# Allegro board 038RT-9068CJK8E-A100_0921.brd (continued)
## Placement (name value [footprint] x y rotation side) (continued)
UNK2C441  NC/4.7P-50-N-S4-MU  [C0402]  21.06 275.68 0 top
UNK2C442  NC/4.7P-50-N-S4-MU  [C0402]  14.06 275.68 0 top
UNK2CD1  0.1U-16-X7R-S4-TY  [C0402_UNBGA_V2]  284.1 268.62 0 bottom
UNK2CD2  0.1U-16-X7R-S4-TY  [C0402_UNBGA_V2]  284.9 267.82 0 bottom
UNK2CD3  0.1U-16-X7R-S4-TY  [C0402_UNBGA_V2]  284.9 267.02 0 bottom
UNK2CD4  0.1U-16-X7R-S4-TY  [C0402_UNBGA_V2]  284.9 266.22 0 bottom
UNK2CD5  0.1U-16-X7R-S4-TY  [C0402_UNBGA_V2]  284.9 265.42 0 bottom
UNK2CD6  0.1U-16-X7R-S4-TY  [C0402_UNBGA_V2]  286.1 263.42 270 bottom
UNK2CD7  2.2U-10-X7S-S4-MU  [C0402_UNBGA_V2]  286.9 263.42 270 bottom
UNK2CD8  2.2U-10-X7S-S4-MU  [C0402_UNBGA_V2]  284.5 271.42 270 bottom
UNK2CD9  0.1U-16-X7R-S4-TY  [C0402_UNBGA_V2]  286.1 265.02 90 bottom
UNK2CD10  0.1U-16-X7R-S4-TY  [C0402_UNBGA_V2]  284.5 269.82 90 bottom
UNK2CD11  0.1U-16-X7R-S4-TY  [C0402_UNBGA_V2]  285.3 269.02 270 bottom
UNK2CD12  0.1U-16-X7R-S4-TY  [C0402_UNBGA_V2]  285.3 271.42 270 bottom
UNK2CD13  0.1U-16-X7R-S4-TY  [C0402_UNBGA_V2]  285.3 263.42 270 bottom
UNK2CD14  0.1U-16-X7R-S4-TY  [C0402_UNBGA_V2]  286.1 269.02 270 bottom
UNK2CD15  0.1U-16-X7R-S4-TY  [C0402_UNBGA_V2]  285.53 254.75 180 bottom
UNK2CD16  2.2U-10-X7S-S4-MU  [C0402_UNBGA_V2]  280.1 267.82 0 bottom
UNK2CD17  0.1U-16-X7R-S4-TY  [C0402_UNBGA_V2]  279.7 266.62 270 bottom
UNK2CD18  2.2U-10-X7S-S4-MU  [C0402_UNBGA_V2]  286.9 271.42 270 bottom
UNK2CD19  0.1U-16-X7R-S4-TY  [C0402_UNBGA_V2]  285.53 253.92 180 bottom
UNK2CD20  10U-16-X7R-S8-SS  [C0805]  341.01 452.68 0 top
UNK2CD21  10U-16-X7R-S8-SS  [C0805]  335.29 434.26 0 top
UNK2CD22  47U-10-X7R-SB-MU  [C1210]  341.01 448.23 270 top
UNK2CD23  47U-10-X7R-SB-MU  [C1210]  335.29 448.23 270 top
UNK2CD24  NC/100U-16-T-SC  [CODE_C]  335.29 439.98 270 top
UNK2CD25  NC/100U-16-T-SC  [CODE_C]  341.01 439.98 270 top
UNK2CD26  0.1U-16-X7R-S4-TY  [C0402_UNBGA_V2]  288.9 271.02 180 bottom
UNK2CD27  0.1U-16-X7R-S4-TY  [C0402_UNBGA_V2]  284.1 273.42 0 bottom
UNK2CD28  0.1U-16-X7R-S4-TY  [C0402_UNBGA_V2]  283.7 271.42 90 bottom
UNK2CD29  0.1U-16-X7R-S4-TY  [C0402_UNBGA_V2]  283.7 260.22 90 bottom
UNK2CD30  0.1U-16-X7R-S4-TY  [C0402_UNBGA_V2]  286.9 269.82 90 bottom
UNK2CD31  0.1U-16-X7R-S4-TY  [C0402_UNBGA_V2]  290.5 270.22 0 bottom
UNK2CD32  0.1U-16-X7R-S4-TY  [C0402_UNBGA_V2]  288.9 270.22 180 bottom
UNK2CD33  0.1U-16-X7R-S4-TY  [C0402_UNBGA_V2]  286.1 260.22 90 bottom
UNK2CD34  0.1U-16-X7R-S4-TY  [C0402_UNBGA_V2]  287.7 261.82 90 bottom
UNK2CD35  0.1U-16-X7R-S4-TY  [C0402_UNBGA_V2]  281.3 260.22 90 bottom
UNK2CD36  0.1U-16-X7R-S4-TY  [C0402_UNBGA_V2]  287.7 269.82 90 bottom
UNK2CD37  0.1U-16-X7R-S4-TY  [C0402_UNBGA_V2]  286.9 261.02 90 bottom
UNK2CD38  0.1U-16-X7R-S4-TY  [C0402_UNBGA_V2]  288.9 271.82 180 bottom
UNK2CD39  2.2U-10-X7S-S4-MU  [C0402_UNBGA_V2]  288.5 261.82 90 bottom
UNK2CD40  2.2U-10-X7S-S4-MU  [C0402_UNBGA_V2]  290.1 271.42 90 bottom
UNK2CD41  2.2U-10-X7S-S4-MU  [C0402_UNBGA_V2]  280.5 260.22 90 bottom
UNK2CD42  0.1U-16-X7R-S4-TY  [C0402_UNBGA_V2]  282.9 261.02 90 bottom
UNK2CD43  2.2U-10-X7S-S4-MU  [C0402_UNBGA_V2]  280.1 270.22 180 bottom
UNK2CD44  0.1U-16-X7R-S4-TY  [C0402_UNBGA_V2]  285.3 260.22 90 bottom
UNK2CD45  10U-16-X7R-S8-SS  [C0805]  324.44 442.95 180 top
UNK2CD46  10U-16-X7R-S8-SS  [C0805]  324.44 440.44 180 top
UNK2CD47  47U-10-X7R-SB-MU  [C1210]  329.32 438.53 0 top
UNK2CD48  NC/100U-16-T-SC  [CODE_C]  327.67 447.93 0 top
UNK2CD49  47U-10-X7R-SB-MU  [C1210]  329.32 443.1 0 top
UNK2CD50  NC/100U-16-T-SC  [CODE_C]  327.67 453.01 0 top
UNK2CD51  0.1U-16-X7R-S4-TY  [C0402_UNBGA_V2]  290.5 268.62 0 bottom
UNK2CD52  0.1U-16-X7R-S4-TY  [C0402_UNBGA_V2]  287.7 272.22 270 bottom
UNK2CD53  0.1U-16-X7R-S4-TY  [C0402_UNBGA_V2]  290.5 269.42 0 bottom
UNK2CD54  0.1U-16-X7R-S4-TY  [C0402_UNBGA_V2]  290.9 272.22 270 bottom
UNK2CD55  0.1U-16-X7R-S4-TY  [C0402_UNBGA_V2]  281.3 271.42 90 bottom
UNK2CD56  0.1U-16-X7R-S4-TY  [C0402_UNBGA_V2]  282.1 271.42 90 bottom
UNK2CD57  2.2U-10-X7S-S4-MU  [C0402_UNBGA_V2]  288.5 273.02 90 bottom
UNK2CD58  0.1U-16-X7R-S4-TY  [C0402_UNBGA_V2]  282.9 271.42 90 bottom
UNK2CD59  0.1U-16-X7R-S4-TY  [C0402_UNBGA_V2]  288.9 268.62 180 bottom
UNK2CD60  0.1U-16-X7R-S4-TY  [C0402_UNBGA_V2]  289.3 261.02 270 bottom
UNK2CD61  2.2U-10-X7S-S4-MU  [C0402_UNBGA_V2]  286.5 272.62 180 bottom
UNK2CD62  2.2U-10-X7S-S4-MU  [C0402_UNBGA_V2]  280.1 271.02 180 bottom
UNK2CD63  2.2U-10-X7S-S4-MU  [C0402_UNBGA_V2]  291.7 272.22 270 bottom
UNK2CD64  2.2U-10-X7S-S4-MU  [C0402_UNBGA_V2]  284.5 261.02 270 bottom
UNK2CD65  2.2U-10-X7S-S4-MU  [C0402_UNBGA_V2]  288.9 269.42 180 bottom
UNK2CD66  2.2U-10-X7S-S4-MU  [C0402_UNBGA_V2]  280.1 271.82 180 bottom
UNK2CD67  2.2U-10-X7S-S4-MU  [C0402_UNBGA_V2]  290.1 261.02 270 bottom
UNK2CD68  0.1U-16-X7R-S4-TY  [C0402_UNBGA_V2]  282.1 269.82 270 bottom
UNK2CD69  2.2U-10-X7S-S4-MU  [C0402_UNBGA_V2]  285.7 270.22 180 bottom
UNK2CD70  2.2U-10-X7S-S4-MU  [C0402_UNBGA_V2]  285.3 261.82 90 bottom
UNK2CD71  0.1U-16-X7R-S4-TY  [C0402_UNBGA_V2]  282.9 269.82 270 bottom
UNK2CD72  0.1U-16-X7R-S4-TY  [C0402_UNBGA_V2]  281.7 268.62 0 bottom
UNK2CD73  0.1U-16-X7R-S4-TY  [C0402_UNBGA_V2]  283.7 269.82 90 bottom
UNK2CD74  10U-16-X7R-S8-SS  [C0805]  266.09 262.71 270 bottom
UNK2CD75  10U-16-X7R-S8-SS  [C0805]  171.22 435.28 0 top
UNK2CD76  47U-10-X7R-SB-MU  [C1210]  171.22 449.25 270 top
UNK2CD77  NC/100U-16-T-SC  [CODE_C]  171.22 440.99 270 top
UNK2CD78  47U-10-X7R-SB-MU  [C1210]  165.51 449.25 270 top
UNK2CD79  NC/100U-16-T-SC  [CODE_C]  165.51 440.99 270 top
UNK2CD80  1U-16-X-S6-TY  [C0603]  285.52 252.77 180 bottom
UNK2CD81  10U-16-X7R-S8-SS  [C0805]  285.49 251.02 180 bottom
UNK2CD82  1U-16-X-S6-TY  [C0603]  280.93 251.29 0 bottom
UNK2CD83  0.1U-16-X7R-S4-TY  [C0402_UNBGA_V2]  288.1 264.62 0 bottom
UNK2CD84  0.1U-16-X7R-S4-TY  [C0402_UNBGA_V2]  287.7 263.42 270 bottom
UNK2CD85  0.1U-16-X7R-S4-TY  [C0402_UNBGA_V2]  288.5 263.42 270 bottom
UNK2CD86  10U-16-X7R-S8-SS  [C0805]  280.9 249.53 0 bottom
UNK2CD87  1U-16-X-S6-TY  [C0603]  274.28 262.7 90 bottom
UNK2CD88  10U-16-X7R-S8-SS  [C0805]  272.53 262.73 90 bottom
UNK2CD89  0.1U-16-X7R-S4-TY  [C0402_UNBGA_V2]  295.15 250.4 180 bottom
UNK2CD90  1U-16-X-S6-TY  [C0603]  274.28 266.51 270 bottom
UNK2CD91  0.1U-16-X7R-S4-TY  [C0402_UNBGA_V2]  288.1 260.59 180 bottom
UNK2CD92  0.1U-16-X7R-S4-TY  [C0402_UNBGA_V2]  290.9 264.22 90 bottom
UNK2CD93  10U-16-X7R-S8-SS  [C0805]  177.04 435.28 180 top
UNK2CD94  10U-16-X7R-S8-SS  [C0805]  295.13 241.7 0 bottom
UNK2CD95  47U-10-X7R-SB-MU  [C1210]  177.04 430.83 270 top
UNK2CD96  10U-16-X7R-S8-SS  [C0805]  272.53 266.54 270 bottom
UNK2CD97  47U-10-X7R-SB-MU  [C1210]  177.04 420.93 270 top
UNK2CD98  1U-16-X-S6-TY  [C0603]  291.11 251.32 180 bottom
UNK2CD99  10U-16-X7R-S8-SS  [C0805]  291.08 249.57 180 bottom
UNK2CD100  1U-16-X-S6-TY  [C0603]  295.14 249.26 180 bottom
UNK2CD104  1U-16-X-S6-TY  [C0603]  274.28 274.38 270 bottom
UNK2CD105  10U-16-X7R-S8-SS  [C0805]  272.53 274.41 270 bottom
UNK2CD106  1U-16-X-S6-TY  [C0603]  298.6 262.7 90 bottom
UNK2CD107  10U-16-X7R-S8-SS  [C0805]  300.35 262.67 90 bottom
UNK2CD108  10U-16-X7R-S8-SS  [C0805]  275.58 249.53 180 bottom
UNK2CD109  1U-16-X-S6-TY  [C0603]  285.49 241.57 0 bottom
UNK2CD110  1U-16-X-S6-TY  [C0603]  280.93 245.5 180 bottom
UNK2CD111  1U-16-X-S6-TY  [C0603]  268.11 262.71 270 bottom
UNK2CD112  1U-16-X-S6-TY  [C0603]  295.13 243.46 0 bottom
UNK2CD113  1U-10-X7R-S8  [C0805]  268.11 266.52 90 bottom
UNK2CD114  22U-10-X7S-S8-TDK  [C0805]  272.25 270.13 180 bottom
UNK2CD115  10U-16-X7R-S8-SS  [C0805]  266.09 266.52 90 bottom
UNK2CD116  10U-16-X7R-S8-SS  [C0805]  165.51 435.28 0 top
UNK2CD117  NC/100U-16-T-SC  [CODE_C]  171.22 422.58 270 top
UNK2CD118  47U-10-X7R-SB-MU  [C1210]  165.51 430.83 270 top
UNK2CD119  47U-10-X7R-SB-MU  [C1210]  171.22 430.83 270 top
UNK2CD120  NC/100U-16-T-SC  [CODE_C]  165.51 422.58 270 top
UNK2CD121  10U-16-X7R-S8-SS  [C0805]  191.01 435.28 180 top
UNK2CD122  10U-16-X7R-S8-SS  [C0805]  197.36 435.28 180 top
UNK2CD123  47U-10-X7R-SB-MU  [C1210]  190.91 449.25 270 top
UNK2CD124  NC/100U-16-T-SC  [CODE_C]  197.26 440.99 270 top
UNK2CD125  47U-10-X7R-SB-MU  [C1210]  197.26 449.25 270 top
UNK2CD126  NC/100U-16-T-SC  [CODE_C]  190.91 440.99 270 top
UNK2CD127  0.1U-16-X7R-S4-TY  [C0402_UNBGA_V2]  282.5 265.42 180 bottom
UNK2CD128  0.1U-16-X7R-S4-TY  [C0402_UNBGA_V2]  284.1 263.02 180 bottom
UNK2CD129  0.1U-16-X7R-S4-TY  [C0402_UNBGA_V2]  282.1 262.62 90 bottom
UNK2CD130  0.1U-16-X7R-S4-TY  [C0402_UNBGA_V2]  282.1 264.22 270 bottom
UNK2CD131  0.1U-16-X7R-S4-TY  [C0402_UNBGA_V2]  279.7 264.22 270 bottom
UNK2CD132  0.1U-16-X7R-S4-TY  [C0402_UNBGA_V2]  279.7 262.62 270 bottom
UNK2CD133  0.1U-16-X7R-S4-TY  [C0402_UNBGA_V2]  279.7 261.02 270 bottom
UNK2CD134  2.2U-10-X7S-S4-MU  [C0402_UNBGA_V2]  282.1 261.02 270 bottom
UNK2CD135  1U-16-X-S6-TY  [C0603]  275.6 243.46 0 bottom
UNK2CD136  2.2U-10-X7S-S4-MU  [C0402_UNBGA_V2]  277.7 269.42 180 bottom
UNK2CD137  0.1U-16-X7R-S4-TY  [C0402_UNBGA_V2]  279.3 269.42 0 bottom
UNK2CD138  0.1U-16-X7R-S4-TY  [C0402_UNBGA_V2]  277.3 273.02 90 bottom
UNK2CD139  0.1U-16-X7R-S4-TY  [C0402_UNBGA_V2]  278.5 272.62 0 bottom
UNK2CD140  1U-16-X-S6-TY  [C0603]  298.6 266.64 270 bottom
UNK2CD141  10U-16-X7R-S8-SS  [C0805]  300.35 266.61 270 bottom
UNK2CD142  10U-16-X7R-S8-SS  [C0805]  295.11 247.5 180 bottom
UNK2CD143  1U-16-X-S6-TY  [C0603]  275.61 251.29 180 bottom
UNK2CD144  1U-16-X-S6-TY  [C0603]  268.11 274.39 90 bottom
UNK2CD145  2.2U-10-X7S-S4-MU  [C0402_UNBGA_V2]  292.9 262.22 0 bottom
UNK2CD146  0.1U-16-X7R-S4-TY  [C0402_UNBGA_V2]  297.46 262.69 90 bottom
UNK2CD147  0.1U-16-X7R-S4-TY  [C0402_UNBGA_V2]  290.9 262.62 90 bottom
UNK2CD148  0.1U-16-X7R-S4-TY  [C0402_UNBGA_V2]  291.3 261.42 180 bottom
UNK2CD149  1U-16-X-S6-TY  [C0603]  304.39 262.69 270 bottom
UNK2CD150  2.2U-10-X7S-S4-MU  [C0402_UNBGA_V2]  292.9 267.82 0 bottom
UNK2CD151  0.1U-16-X7R-S4-TY  [C0402_UNBGA_V2]  291.3 267.82 180 bottom
UNK2CD152  0.1U-16-X7R-S4-TY  [C0402_UNBGA_V2]  291.3 271.02 180 bottom
UNK2CD154  1U-16-X-S6-TY  [C0603]  304.39 266.62 90 bottom
UNK2CD155  10U-16-X7R-S8-SS  [C0805]  291.09 243.76 0 bottom
UNK2CD156  10U-16-X7R-S8-SS  [C0805]  184.66 435.28 180 top
UNK2CD157  NC/100U-16-T-SC  [CODE_C]  184.56 440.99 270 top
UNK2CD158  47U-10-X7R-SB-MU  [C1210]  184.56 449.25 270 top
UNK2CD159  47U-10-X7R-SB-MU  [C1210]  176.94 449.25 270 top
UNK2CD160  NC/100U-16-T-SC  [CODE_C]  176.94 440.99 270 top
UNK2CD161  2.2U-10-X7S-S4-MU  [C0402_UNBGA_V2]  286.5 267.82 180 bottom
UNK2CD162  0.1U-16-X7R-S4-TY  [C0402_UNBGA_V2]  286.5 267.02 180 bottom
UNK2CD163  0.1U-16-X7R-S4-TY  [C0402_UNBGA_V2]  282.5 267.02 180 bottom
UNK2CD164  0.1U-16-X7R-S4-TY  [C0402_UNBGA_V2]  282.5 266.22 180 bottom
UNK2CD165  0.1U-16-X7R-S4-TY  [C0402_UNBGA_V2]  288.1 267.02 0 bottom
UNK2CD166  0.1U-16-X7R-S4-TY  [C0402_UNBGA_V2]  288.1 267.82 0 bottom
UNK2CD167  1U-16-X-S6-TY  [C0603]  291.09 245.53 0 bottom
UNK2CD168  22U-10-X7S-S8-TDK  [C0805]  231 282.25 180 bottom
UNK2CD169  10U-16-X7R-S8-SS  [C0805]  335.29 452.68 0 top
UNK2CD170  10U-16-X7R-S8-SS  [C0805]  341.01 434.26 0 top
UNK2CD171  47U-10-X7R-SB-MU  [C1210]  335.29 429.82 270 top
UNK2CD172  NC/100U-16-T-SC  [CODE_C]  341.01 421.56 270 top
UNK2CD173  47U-10-X7R-SB-MU  [C1210]  341.01 429.82 270 top
UNK2CD174  NC/100U-16-T-SC  [CODE_C]  335.29 421.56 270 top
UNK2CD175  0.1U-16-X7R-S4-TY  [C0402]  180.47 241.24 90 bottom
UNK2CD176  0.1U-16-X7R-S4-TY  [C0402]  191.09 241.24 90 bottom
UNK2CD177  0.1U-16-X7R-S4-TY  [C0402]  201.65 241.24 90 bottom
UNK2CD178  10U-16-X7R-S8-SS  [C0805]  280.93 241.7 180 bottom
UNK2CD179  10U-16-X7R-S8-SS  [C0805]  280.93 243.73 180 bottom
UNK2CD180  10U-16-X7R-S8-SS  [C0805]  275.6 241.7 0 bottom
UNK2CD181  10U-16-X7R-S8-SS  [C0805]  266.09 274.39 90 bottom
UNK2CD182  10U-16-X7R-S8-SS  [C0805]  306.3 262.69 270 bottom
UNK2CD183  10U-16-X7R-S8-SS  [C0805]  306.3 266.62 90 bottom
UNK2CG1  0.1U-16-X7R-S4-TY  [C0402_UNBGA_V2]  90.2 265.02 90 bottom
UNK2CG2  0.1U-16-X7R-S4-TY  [C0402_UNBGA_V2]  91 265.82 90 bottom
UNK2CG3  0.1U-16-X7R-S4-TY  [C0402_UNBGA_V2]  91.8 265.82 90 bottom
UNK2CG4  0.1U-16-X7R-S4-TY  [C0402_UNBGA_V2]  92.6 265.82 90 bottom
UNK2CG5  0.1U-16-X7R-S4-TY  [C0402_UNBGA_V2]  93.4 265.82 90 bottom
UNK2CG6  0.1U-16-X7R-S4-TY  [C0402_UNBGA_V2]  95.4 267.02 0 bottom
UNK2CG7  2.2U-10-X7S-S4-MU  [C0402_UNBGA_V2]  95.4 267.82 0 bottom
UNK2CG8  2.2U-10-X7S-S4-MU  [C0402_UNBGA_V2]  87.4 265.42 0 bottom
UNK2CG9  0.1U-16-X7R-S4-TY  [C0402_UNBGA_V2]  93.8 267.02 180 bottom
UNK2CG10  0.1U-16-X7R-S4-TY  [C0402_UNBGA_V2]  89 265.42 180 bottom
UNK2CG11  0.1U-16-X7R-S4-TY  [C0402_UNBGA_V2]  89.8 266.22 0 bottom
UNK2CG12  0.1U-16-X7R-S4-TY  [C0402_UNBGA_V2]  87.4 266.22 0 bottom
UNK2CG13  0.1U-16-X7R-S4-TY  [C0402_UNBGA_V2]  95.4 266.22 0 bottom
UNK2CG14  0.1U-16-X7R-S4-TY  [C0402_UNBGA_V2]  89.8 267.02 0 bottom
UNK2CG15  0.1U-16-X7R-S4-TY  [C0402_UNBGA_V2]  104.07 267.32 270 bottom
UNK2CG16  2.2U-10-X7S-S4-MU  [C0402_UNBGA_V2]  91 261.02 90 bottom
UNK2CG17  0.1U-16-X7R-S4-TY  [C0402_UNBGA_V2]  92.2 260.62 0 bottom
UNK2CG18  2.2U-10-X7S-S4-MU  [C0402_UNBGA_V2]  87.4 267.82 0 bottom
UNK2CG19  0.1U-16-X7R-S4-TY  [C0402_UNBGA_V2]  104.9 267.32 270 bottom
UNK2CG20  10U-16-X7R-S8-SS  [C0805]  79.87 306.07 0 top
UNK2CG21  10U-16-X7R-S8-SS  [C0805]  73.52 306.07 0 top
UNK2CG22  47U-10-X7R-SB-MU  [C1210]  79.87 311.15 90 top
UNK2CG23  47U-10-X7R-SB-MU  [C1210]  73.52 311.15 90 top
UNK2CG24  NC/100U-16-T-SC  [CODE_C]  73.52 319.4 90 top
UNK2CG25  NC/100U-16-T-SC  [CODE_C]  79.87 319.4 90 top
UNK2CG26  0.1U-16-X7R-S4-TY  [C0402_UNBGA_V2]  88.6 261.02 270 bottom
UNK2CG27  0.1U-16-X7R-S4-TY  [C0402_UNBGA_V2]  85.4 265.02 90 bottom
UNK2CG28  0.1U-16-X7R-S4-TY  [C0402_UNBGA_V2]  87.4 264.62 180 bottom
UNK2CG29  0.1U-16-X7R-S4-TY  [C0402_UNBGA_V2]  98.6 261.42 180 bottom
UNK2CG30  0.1U-16-X7R-S4-TY  [C0402_UNBGA_V2]  89 267.82 180 bottom
UNK2CG31  0.1U-16-X7R-S4-TY  [C0402_UNBGA_V2]  88.6 271.42 90 bottom
UNK2CG32  0.1U-16-X7R-S4-TY  [C0402_UNBGA_V2]  87.4 271.02 180 bottom
UNK2CG33  0.1U-16-X7R-S4-TY  [C0402_UNBGA_V2]  97 269.42 180 bottom
UNK2CG34  0.1U-16-X7R-S4-TY  [C0402_UNBGA_V2]  97 268.62 180 bottom
UNK2CG35  0.1U-16-X7R-S4-TY  [C0402_UNBGA_V2]  98.6 262.22 180 bottom
UNK2CG36  0.1U-16-X7R-S4-TY  [C0402_UNBGA_V2]  89 268.62 180 bottom
UNK2CG37  0.1U-16-X7R-S4-TY  [C0402_UNBGA_V2]  97.8 267.82 180 bottom
UNK2CG38  0.1U-16-X7R-S4-TY  [C0402_UNBGA_V2]  87 269.82 270 bottom
UNK2CG39  2.2U-10-X7S-S4-MU  [C0402_UNBGA_V2]  98.6 267.02 180 bottom
UNK2CG40  2.2U-10-X7S-S4-MU  [C0402_UNBGA_V2]  88.6 269.82 270 bottom
UNK2CG41  2.2U-10-X7S-S4-MU  [C0402_UNBGA_V2]  98.6 264.62 180 bottom
UNK2CG42  0.1U-16-X7R-S4-TY  [C0402_UNBGA_V2]  97.8 263.82 180 bottom
UNK2CG43  2.2U-10-X7S-S4-MU  [C0402_UNBGA_V2]  87.8 269.82 270 bottom
UNK2CG44  0.1U-16-X7R-S4-TY  [C0402_UNBGA_V2]  98.6 266.22 180 bottom
UNK2CG45  10U-16-X7R-S8-SS  [C0805]  79.87 327.02 0 top
UNK2CG46  10U-16-X7R-S8-SS  [C0805]  74.15 327.02 0 top
UNK2CG47  47U-10-X7R-SB-MU  [C1210]  79.87 332.11 90 top
UNK2CG48  NC/100U-16-T-SC  [CODE_C]  79.87 340.36 90 top
UNK2CG49  47U-10-X7R-SB-MU  [C1210]  73.52 332.11 90 top
UNK2CG50  NC/100U-16-T-SC  [CODE_C]  73.52 340.36 90 top
UNK2CG51  0.1U-16-X7R-S4-TY  [C0402_UNBGA_V2]  90.2 271.42 90 bottom
UNK2CG52  0.1U-16-X7R-S4-TY  [C0402_UNBGA_V2]  86.6 268.62 0 bottom
UNK2CG53  0.1U-16-X7R-S4-TY  [C0402_UNBGA_V2]  89.4 271.42 90 bottom
UNK2CG54  0.1U-16-X7R-S4-TY  [C0402_UNBGA_V2]  97 266.22 180 bottom
UNK2CG55  0.1U-16-X7R-S4-TY  [C0402_UNBGA_V2]  87.4 262.22 180 bottom
UNK2CG56  0.1U-16-X7R-S4-TY  [C0402_UNBGA_V2]  87.8 261.02 270 bottom
UNK2CG57  2.2U-10-X7S-S4-MU  [C0402_UNBGA_V2]  85.8 269.42 180 bottom
UNK2CG58  0.1U-16-X7R-S4-TY  [C0402_UNBGA_V2]  87 261.02 270 bottom
UNK2CG59  0.1U-16-X7R-S4-TY  [C0402_UNBGA_V2]  97.8 271.02 0 bottom
UNK2CG60  0.1U-16-X7R-S4-TY  [C0402_UNBGA_V2]  97.8 270.22 0 bottom
UNK2CG61  2.2U-10-X7S-S4-MU  [C0402_UNBGA_V2]  86.2 267.42 270 bottom
UNK2CG62  2.2U-10-X7S-S4-MU  [C0402_UNBGA_V2]  87.4 263.02 180 bottom
UNK2CG63  2.2U-10-X7S-S4-MU  [C0402_UNBGA_V2]  86.6 272.62 0 bottom
UNK2CG64  2.2U-10-X7S-S4-MU  [C0402_UNBGA_V2]  97.8 265.42 0 bottom
UNK2CG65  2.2U-10-X7S-S4-MU  [C0402_UNBGA_V2]  89.4 269.82 270 bottom
UNK2CG66  2.2U-10-X7S-S4-MU  [C0402_UNBGA_V2]  87.4 263.82 180 bottom
UNK2CG67  2.2U-10-X7S-S4-MU  [C0402_UNBGA_V2]  90.2 269.82 270 bottom
UNK2CG68  0.1U-16-X7R-S4-TY  [C0402_UNBGA_V2]  89 263.02 0 bottom
UNK2CG69  2.2U-10-X7S-S4-MU  [C0402_UNBGA_V2]  88.6 266.62 270 bottom
UNK2CG70  2.2U-10-X7S-S4-MU  [C0402_UNBGA_V2]  86.6 271.82 0 bottom
UNK2CG71  0.1U-16-X7R-S4-TY  [C0402_UNBGA_V2]  89 263.82 0 bottom
UNK2CG72  0.1U-16-X7R-S4-TY  [C0402_UNBGA_V2]  90.2 262.62 90 bottom
UNK2CG73  0.1U-16-X7R-S4-TY  [C0402_UNBGA_V2]  89 264.62 180 bottom
UNK2CG74  10U-16-X7R-S8-SS  [C0805]  87.67 248.84 270 bottom
UNK2CG75  10U-16-X7R-S8-SS  [C0805]  96.11 246.5 0 bottom
UNK2CG76  47U-10-X7R-SB-MU  [C1210]  86.22 311.15 90 top
UNK2CG77  NC/100U-16-T-SC  [CODE_C]  92.57 319.4 90 top
UNK2CG78  47U-10-X7R-SB-MU  [C1210]  92.57 311.15 90 top
UNK2CG79  NC/100U-16-T-SC  [CODE_C]  86.22 319.4 90 top
UNK2CG80  1U-16-X-S6-TY  [C0603]  106.04 267.33 270 bottom
UNK2CG81  10U-16-X7R-S8-SS  [C0805]  107.8 267.3 270 bottom
UNK2CG82  1U-16-X-S6-TY  [C0603]  107.53 262.11 90 bottom
UNK2CG83  0.1U-16-X7R-S4-TY  [C0402_UNBGA_V2]  94.2 269.02 90 bottom
UNK2CG84  0.1U-16-X7R-S4-TY  [C0402_UNBGA_V2]  95.4 268.62 0 bottom
UNK2CG85  0.1U-16-X7R-S4-TY  [C0402_UNBGA_V2]  95.4 269.42 0 bottom
UNK2CG86  10U-16-X7R-S8-SS  [C0805]  109.28 262.08 90 bottom
UNK2CG87  1U-16-X-S6-TY  [C0603]  96.12 254.69 180 bottom
UNK2CG88  10U-16-X7R-S8-SS  [C0805]  96.09 252.94 180 bottom
UNK2CG89  0.1U-16-X7R-S4-TY  [C0402_UNBGA_V2]  106.35 276.05 270 bottom
UNK2CG90  1U-16-X-S6-TY  [C0603]  92.31 254.69 0 bottom
UNK2CG91  0.1U-16-X7R-S4-TY  [C0402_UNBGA_V2]  98.22 269.02 270 bottom
UNK2CG92  0.1U-16-X7R-S4-TY  [C0402_UNBGA_V2]  94.6 271.82 180 bottom
UNK2CG93  10U-16-X7R-S8-SS  [C0805]  124.32 316.23 0 top
UNK2CG94  10U-16-X7R-S8-SS  [C0805]  115.05 276.05 90 bottom
UNK2CG95  47U-10-X7R-SB-MU  [C1210]  130.67 321.31 90 top
UNK2CG96  10U-16-X7R-S8-SS  [C0805]  92.28 252.94 0 bottom
UNK2CG97  47U-10-X7R-SB-MU  [C1210]  124.32 321.31 90 top
UNK2CG98  1U-16-X-S6-TY  [C0603]  107.5 272.03 270 bottom
UNK2CG99  10U-16-X7R-S8-SS  [C0805]  109.25 272 270 bottom
UNK2CG100  1U-16-X-S6-TY  [C0603]  107.5 276.06 270 bottom
UNK2CG101  1U-16-X-S6-TY  [C0603]  87.28 239.89 180 top
UNK2CG102  1U-16-X-S6-TY  [C0603]  122.2 269.55 0 bottom
UNK2CG103  1U-16-X-S6-TY  [C0603]  122.2 266.37 0 bottom
UNK2CG104  1U-16-X-S6-TY  [C0603]  84.44 254.69 0 bottom
UNK2CG105  10U-16-X7R-S8-SS  [C0805]  84.41 252.94 0 bottom
UNK2CG106  1U-16-X-S6-TY  [C0603]  96.41 279.52 180 bottom
UNK2CG107  10U-16-X7R-S8-SS  [C0805]  96.43 281.28 180 bottom
UNK2CG108  10U-16-X7R-S8-SS  [C0805]  111.43 257.03 270 bottom
UNK2CG109  1U-16-X-S6-TY  [C0603]  117.25 267.3 90 bottom
UNK2CG110  1U-16-X-S6-TY  [C0603]  113.32 262.11 270 bottom
UNK2CG111  1U-16-X-S6-TY  [C0603]  96.11 248.52 0 bottom
UNK2CG112  1U-16-X-S6-TY  [C0603]  113.29 276.05 90 bottom
UNK2CG113  1U-10-X7R-S8  [C0805]  92.3 248.52 180 bottom
UNK2CG114  22U-10-X7S-S8-TDK  [C0805]  87.67 252.66 270 bottom
UNK2CG115  10U-16-X7R-S8-SS  [C0805]  92.3 246.5 180 bottom
UNK2CG116  10U-16-X7R-S8-SS  [C0805]  86.22 306.07 180 top
UNK2CG117  NC/100U-16-T-SC  [CODE_C]  98.92 319.4 90 top
UNK2CG118  47U-10-X7R-SB-MU  [C1210]  98.92 311.15 90 top
UNK2CG119  47U-10-X7R-SB-MU  [C1210]  105.27 311.15 90 top
UNK2CG120  NC/100U-16-T-SC  [CODE_C]  105.27 319.4 90 top
UNK2CG121  10U-16-X7R-S8-SS  [C0805]  105.27 306.07 180 top
UNK2CG122  10U-16-X7R-S8-SS  [C0805]  92.57 306.07 180 top
UNK2CG123  47U-10-X7R-SB-MU  [C1210]  117.97 311.15 90 top
UNK2CG124  NC/100U-16-T-SC  [CODE_C]  111.62 319.4 90 top
UNK2CG125  47U-10-X7R-SB-MU  [C1210]  111.62 311.15 90 top
UNK2CG126  NC/100U-16-T-SC  [CODE_C]  117.97 319.4 90 top
UNK2CG127  0.1U-16-X7R-S4-TY  [C0402_UNBGA_V2]  93.4 263.42 270 bottom
UNK2CG128  0.1U-16-X7R-S4-TY  [C0402_UNBGA_V2]  95.8 265.02 270 bottom
UNK2CG129  0.1U-16-X7R-S4-TY  [C0402_UNBGA_V2]  96.2 263.02 180 bottom
UNK2CG130  0.1U-16-X7R-S4-TY  [C0402_UNBGA_V2]  94.6 263.02 0 bottom
UNK2CG131  0.1U-16-X7R-S4-TY  [C0402_UNBGA_V2]  94.6 260.62 0 bottom
UNK2CG132  0.1U-16-X7R-S4-TY  [C0402_UNBGA_V2]  96.2 260.62 0 bottom
UNK2CG133  0.1U-16-X7R-S4-TY  [C0402_UNBGA_V2]  97.8 260.62 0 bottom
UNK2CG134  2.2U-10-X7S-S4-MU  [C0402_UNBGA_V2]  97.8 263.02 0 bottom
UNK2CG135  1U-16-X-S6-TY  [C0603]  115.35 257.03 90 bottom
UNK2CG136  2.2U-10-X7S-S4-MU  [C0402_UNBGA_V2]  89.4 258.62 270 bottom
UNK2CG137  0.1U-16-X7R-S4-TY  [C0402_UNBGA_V2]  89.4 260.22 90 bottom
UNK2CG138  0.1U-16-X7R-S4-TY  [C0402_UNBGA_V2]  85.8 258.22 180 bottom
UNK2CG139  0.1U-16-X7R-S4-TY  [C0402_UNBGA_V2]  86.2 259.42 90 bottom
UNK2CG140  1U-16-X-S6-TY  [C0603]  92.47 279.52 0 bottom
UNK2CG141  10U-16-X7R-S8-SS  [C0805]  92.5 281.28 0 bottom
UNK2CG142  10U-16-X7R-S8-SS  [C0805]  109.25 276.03 270 bottom
UNK2CG143  1U-16-X-S6-TY  [C0603]  109.68 257.06 270 bottom
UNK2CG144  1U-16-X-S6-TY  [C0603]  84.42 248.52 180 bottom
UNK2CG145  2.2U-10-X7S-S4-MU  [C0402_UNBGA_V2]  96.6 273.82 90 bottom
UNK2CG146  0.1U-16-X7R-S4-TY  [C0402_UNBGA_V2]  96.42 278.38 180 bottom
UNK2CG147  0.1U-16-X7R-S4-TY  [C0402_UNBGA_V2]  96.2 271.82 180 bottom
UNK2CG148  0.1U-16-X7R-S4-TY  [C0402_UNBGA_V2]  97.4 272.22 270 bottom
UNK2CG149  1U-16-X-S6-TY  [C0603]  96.42 285.31 0 bottom
UNK2CG150  2.2U-10-X7S-S4-MU  [C0402_UNBGA_V2]  91 273.82 90 bottom
UNK2CG151  0.1U-16-X7R-S4-TY  [C0402_UNBGA_V2]  91 272.22 270 bottom
UNK2CG152  0.1U-16-X7R-S4-TY  [C0402_UNBGA_V2]  87.8 272.22 270 bottom
UNK2CG154  1U-16-X-S6-TY  [C0603]  92.48 285.31 180 bottom
UNK2CG155  10U-16-X7R-S8-SS  [C0805]  115.05 272.02 90 bottom
UNK2CG156  10U-16-X7R-S8-SS  [C0805]  124.32 306.7 180 top
UNK2CG158  47U-10-X7R-SB-MU  [C1210]  124.32 311.15 90 top
UNK2CG159  47U-10-X7R-SB-MU  [C1210]  130.67 311.15 90 top
UNK2CG161  2.2U-10-X7S-S4-MU  [C0402_UNBGA_V2]  91 267.42 270 bottom
UNK2CG162  0.1U-16-X7R-S4-TY  [C0402_UNBGA_V2]  91.8 267.42 270 bottom
UNK2CG163  0.1U-16-X7R-S4-TY  [C0402_UNBGA_V2]  91.8 263.42 270 bottom
UNK2CG164  0.1U-16-X7R-S4-TY  [C0402_UNBGA_V2]  92.6 263.42 270 bottom
UNK2CG165  0.1U-16-X7R-S4-TY  [C0402_UNBGA_V2]  91.8 269.02 90 bottom
UNK2CG166  0.1U-16-X7R-S4-TY  [C0402_UNBGA_V2]  91 269.02 90 bottom
UNK2CG167  1U-16-X-S6-TY  [C0603]  113.29 272.02 90 bottom
UNK2CG169  10U-16-X7R-S8-SS  [C0805]  86.22 327.02 0 top
UNK2CG170  10U-16-X7R-S8-SS  [C0805]  92.57 327.02 0 top
UNK2CG171  47U-10-X7R-SB-MU  [C1210]  92.57 332.11 90 top
UNK2CG172  NC/100U-16-T-SC  [CODE_C]  86.22 340.36 90 top
UNK2CG173  47U-10-X7R-SB-MU  [C1210]  86.22 332.11 90 top
UNK2CG174  NC/100U-16-T-SC  [CODE_C]  92.57 340.36 90 top
UNK2CG178  10U-16-X7R-S8-SS  [C0805]  117.12 262.11 270 bottom
UNK2CG179  10U-16-X7R-S8-SS  [C0805]  115.09 262.11 270 bottom
UNK2CG180  10U-16-X7R-S8-SS  [C0805]  117.12 257.03 90 bottom
UNK2CG181  10U-16-X7R-S8-SS  [C0805]  84.42 246.5 180 bottom
UNK2CG182  10U-16-X7R-S8-SS  [C0805]  96.42 287.22 0 bottom
UNK2CG183  10U-16-X7R-S8-SS  [C0805]  92.48 287.22 180 bottom
UNK2CG326  1U-100-X7S-S8-TDK  [C0805]  67.17 263.83 270 bottom
UNK2CG327  4.7U-100-X-SB-MU  [C1210]  63.36 263.83 270 top
UNK2CH11  0.1U-16-X7R-S4-TY  [C0402]  313.89 455.58 90 top
UNK2CH21  0.1U-16-X7R-S4-TY  [C0402]  251.88 455.58 90 top
UNK2CH111  4.7U-25-X7R-S8-TY  [C0805]  291.66 423.21 0 bottom
UNK2CH112  0.1U-16-X7R-S4-TY  [C0402]  291.13 431.98 180 bottom
UNK2CH121  4.7U-25-X7R-S8-TY  [C0805]  283.55 421.18 180 bottom
UNK2CH122  0.1U-16-X7R-S4-TY  [C0402]  291.13 430.83 180 bottom
UNK2CH131  0.1U-16-X7R-S4-TY  [C0402]  261.68 455.8 180 bottom
UNK2CH141  4.7U-25-X7R-S8-TY  [C0805]  304.73 431.47 270 bottom
UNK2CH142  0.1U-16-X7R-S4-TY  [C0402]  288.86 433.84 180 bottom
UNK2CH152  0.1U-16-X7R-S4-TY  [C0402]  283.56 433.24 90 bottom
UNK2CH153  18P-50-N-S4-SS  [C0402]  279.79 428.68 0 bottom
UNK2CH154  18P-50-N-S4-SS  [C0402]  281.82 428.68 180 bottom
UNK2CH167  0.22U-16-X7R-S4-SS  [C0402]  290.01 427.91 90 top
UNK2CH168  0.22U-16-X7R-S4-SS  [C0402]  291.15 427.91 90 top
UNK2CH211  4.7U-25-X7R-S8-TY  [C0805]  229.65 423.21 0 bottom
UNK2CH212  0.1U-16-X7R-S4-TY  [C0402]  229.13 431.98 180 bottom
UNK2CH221  4.7U-25-X7R-S8-TY  [C0805]  221.54 421.18 180 bottom
UNK2CH222  0.1U-16-X7R-S4-TY  [C0402]  229.13 430.83 180 bottom
UNK2CH241  4.7U-25-X7R-S8-TY  [C0805]  242.72 431.47 270 bottom
UNK2CH242  0.1U-16-X7R-S4-TY  [C0402]  226.85 433.84 180 bottom
UNK2CH252  0.1U-16-X7R-S4-TY  [C0402]  221.55 433.24 90 bottom
UNK2CH253  18P-50-N-S4-SS  [C0402]  217.78 428.68 0 bottom
UNK2CH254  18P-50-N-S4-SS  [C0402]  219.81 428.68 180 bottom
UNK2CH267  0.22U-16-X7R-S4-SS  [C0402]  228 427.91 90 top
UNK2CH268  0.22U-16-X7R-S4-SS  [C0402]  229.14 427.91 90 top
UNK2CH1111  4.7U-25-X7R-S8-TY  [C0805]  302.3 436.05 0 bottom
UNK2CH1112  0.1U-16-X7R-S4-TY  [C0402]  288.86 436.64 180 bottom
UNK2CH1171  4.7U-25-X7R-S8-TY  [C0805]  291.01 443.61 90 bottom
